# Altium PCB MCU021_V1.0_PCB.PcbDoc (part 2 of 3)
Units mil, origin at the board's own origin, x right, y up, seen from the top; angles counter-clockwise.
Board outline 2300 x 3100 mil, 4 copper layers (Top Layer, GND, Vcc, Bottom Layer), stack 60.63 mil thick; 177 components, 105 nets, 514 pads, 460 vias.
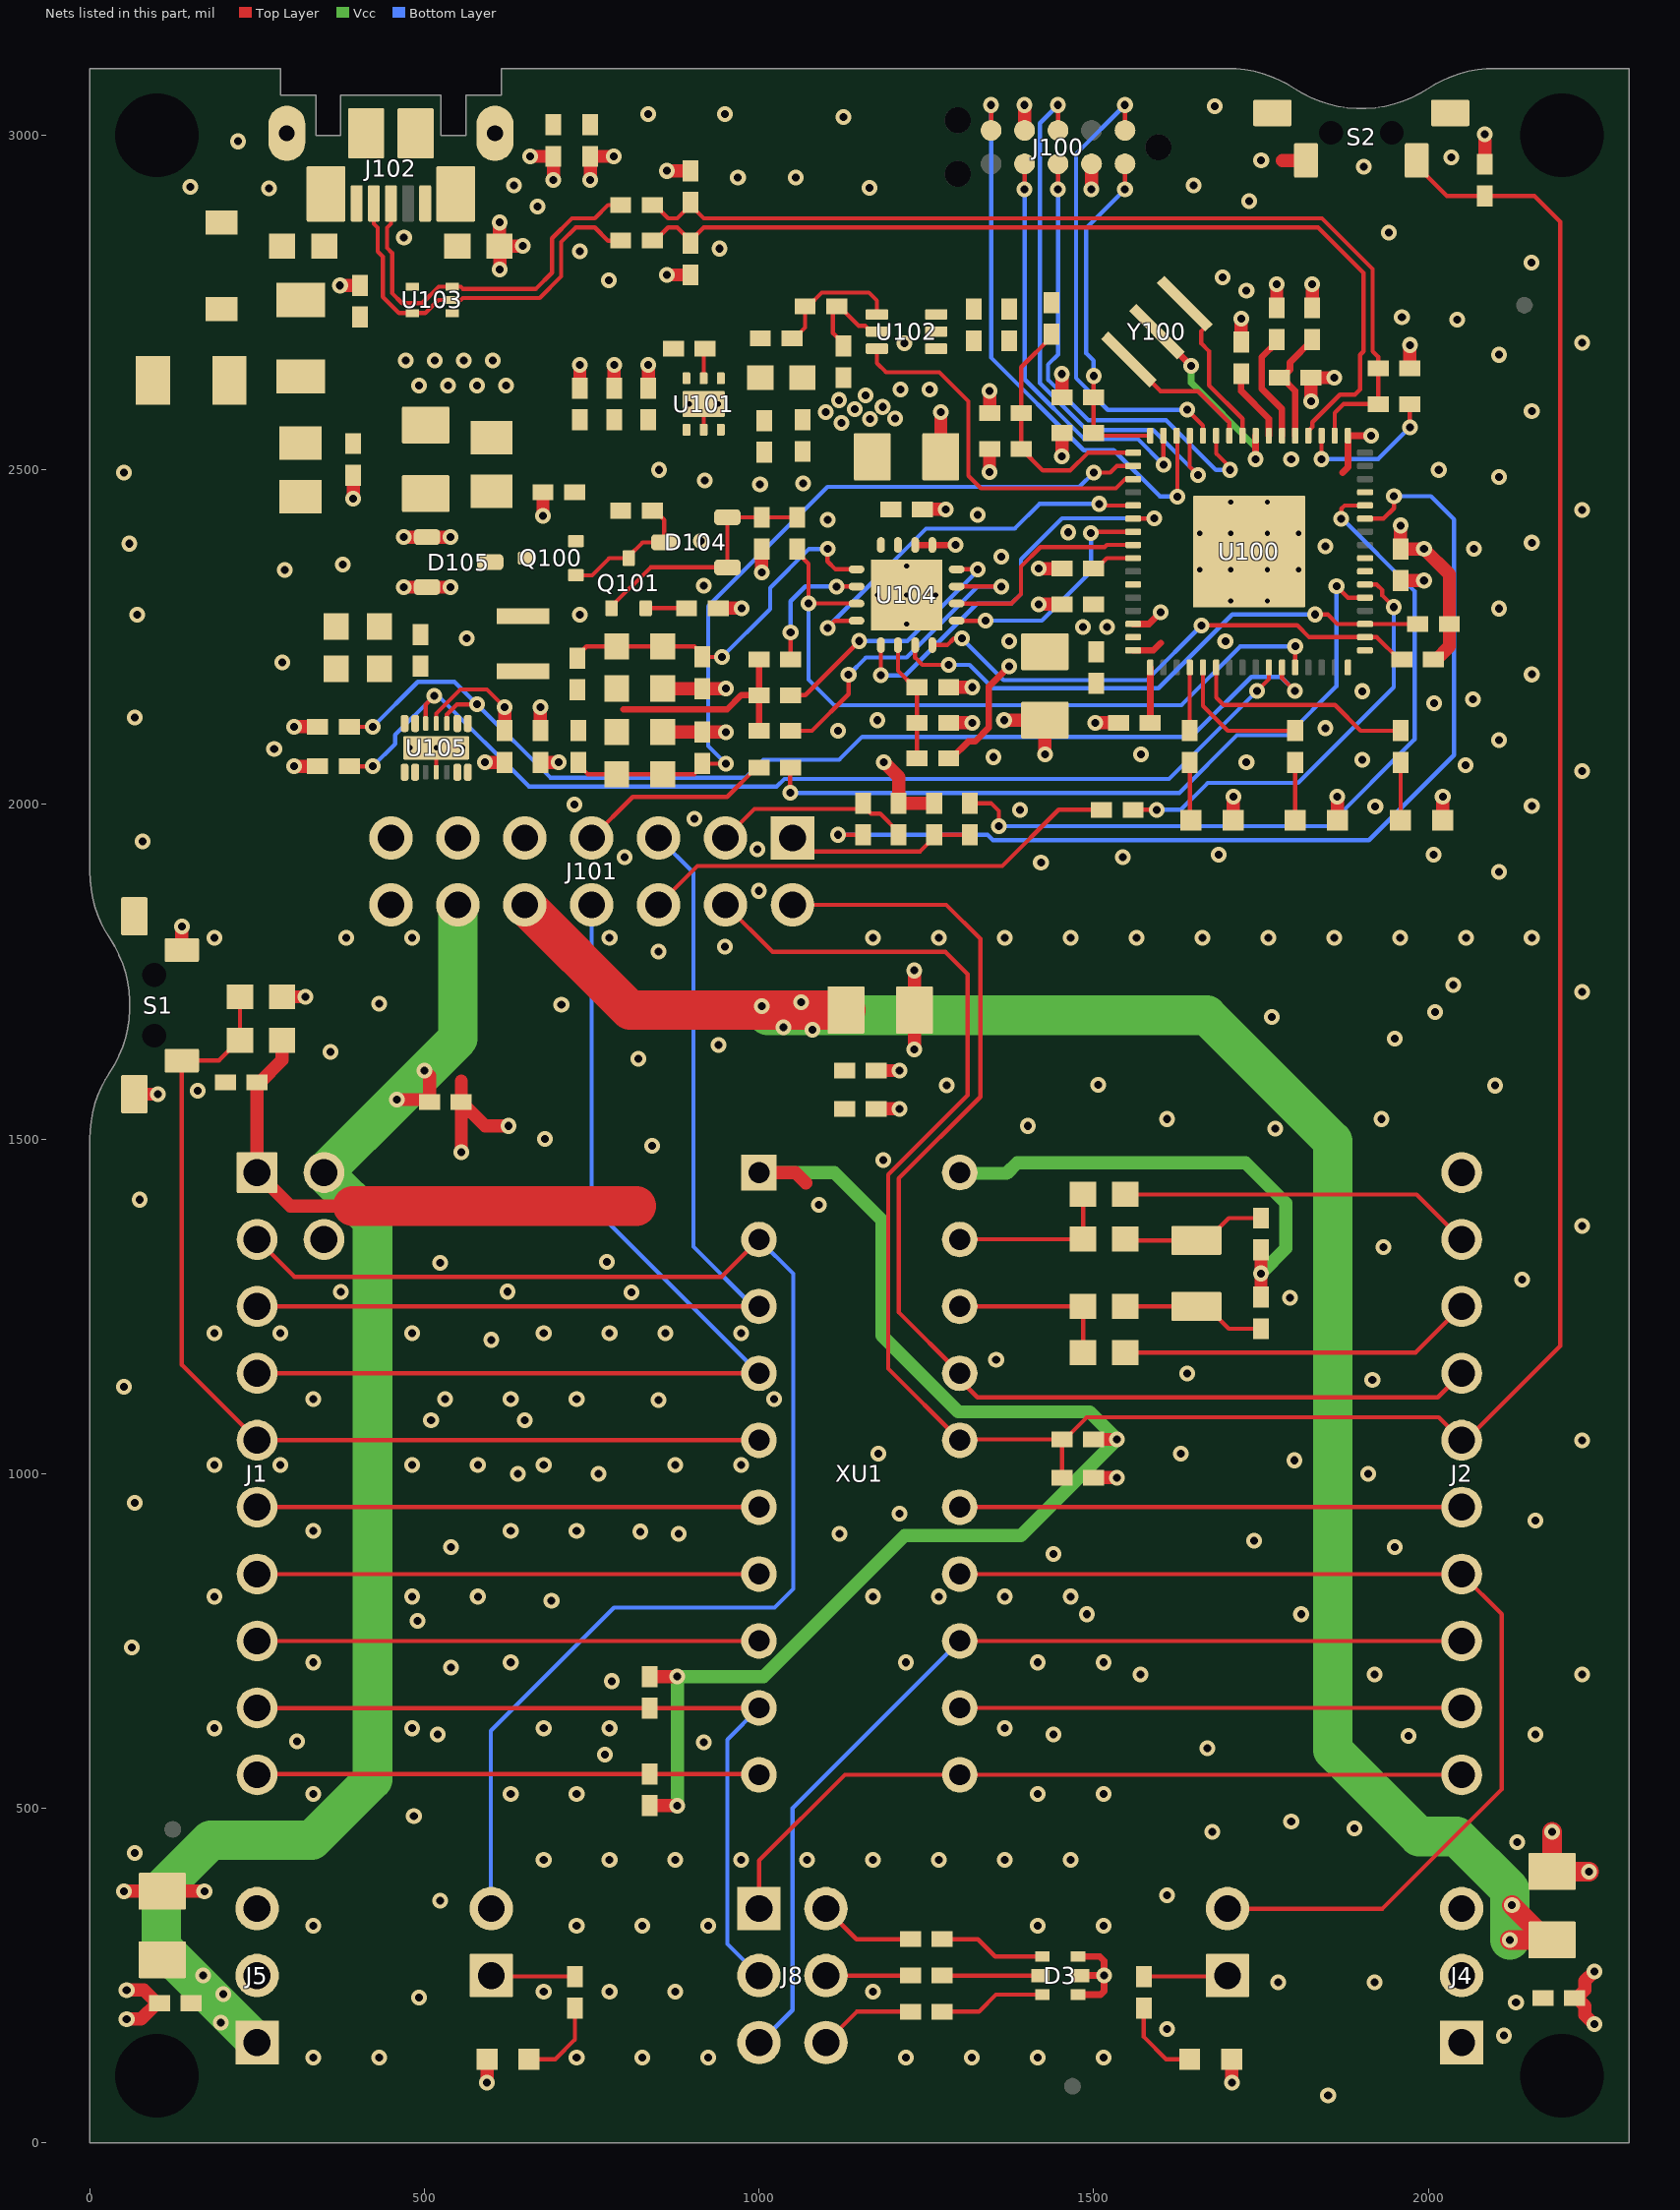
[diagram p4: the nets of this part, all layers, seen from the top]

## Part data (continued)
R102: library part CSR0603FKR200, "RES, 0.2, 1%, 0.125 W, 0603", Manufacturer="Stackpole Electronics Inc", Power_W=0.125, Supplier Part Number 1=CSR0603FKR200CT-ND, TempCo="25 ppm/C", Tolerance_%=1, Value1=1%, Value2=0.125W, Value_Code=R200, AEC Category=Q200, AEC Grade=N/A, AEC Qualified=N, ComponentLink1Description="Datasheet link", ComponentLink1URL=http://www.seielect.com/catalog/SEI-CSR_CSRN.pdf, CompType=Resistor, EIA_Code=E96, LatestRevisionDate=2017-06-08, MountType=SMT, PackageReference=0603, PartNumber=CSR0603FKR200, Published=2008-06-26, Publisher="Texas Instruments", Res_ohm=0.2, RoHS=Y, SizeArea_mm2=1.28, SizeX_mm=1.6, SizeY_mm=0.8, SizeZ_mm=1, Supplier 1=Digi-Key, SymbolVersion=2009-05-29, Technology="Thick Film", U/M=EA, ValueDisplayed=0.2, VDC_V=300
R104 R105 R106 R107 R109 R111: library part CRCW040210R0FKED, "RES, 10.0, 1%, 0.063 W, 0402", Manufacturer=Vishay-Dale, Power_W=0.063, Supplier Part Number 1=541-10.0LCT-ND, TempCo="100 ppm/C", Tolerance_%=1, Value1=1%, Value2=0.063W, Value_Code=10R0, AEC Category=Q200, AEC Qualified=?, ComponentLink1Description="Datasheet link", ComponentLink1URL=http://www.vishay.com/docs/20035/dcrcwe3.pdf, CompType=Resistor, EIA_Code=E96, MountType=SMT, PackageReference=0402, PartNumber=CRCW040210R0FKED, Published=2008-06-26, Publisher="Texas Instruments", Res_ohm=10, RoHS=Y, SizeArea_mm2=0.5, SizeX_mm=1, SizeY_mm=0.5, SizeZ_mm=0.6, Supplier 1=Digi-Key, Supplier 2=Newark, Supplier 3=Mouser, Supplier Part Number 2=52K6600, Supplier Part Number 3=71-CRCW0402-10-E3, SymbolVersion=2009-05-29, Technology="Thick Film", U/M=EA, ValueDisplayed=10.0, VDC_V=50
  R104 R105 R106 R107: LatestRevisionDate=2017-04-13
  R109 R111: Green_EU RoHS="Passed with Exemption", Green_EU RoHS-2=Passed, Green_Lifecycle=Active, Green_REACh=Passed, LatestRevisionDate=2017-06-12
R110 R112: library part CRCW12060000Z0EA, "RES, 0, 5%, 0.25 W, 1206", Manufacturer=Vishay-Dale, Power_W=0.25, Supplier Part Number 1=541-0.0ECT-ND, TempCo="200 ppm/C", Tolerance_%=5, Value1=5%, Value2=0.25W, Value_Code=0000, AEC Category=Q200, AEC Qualified=?, ComponentLink1Description="Datasheet link", ComponentLink1URL=http://www.vishay.com/docs/20035/dcrcwe3.pdf, CompType=Resistor, EIA_Code=E24, Green_EU RoHS="Passed with Exemption", Green_EU RoHS-2=Passed, Green_Lifecycle=Active, Green_REACh=Passed, LatestRevisionDate=2017-05-17, MountType=SMT, PackageReference=1206, PartNumber=CRCW12060000Z0EA, Published=2008-06-26, Publisher="Texas Instruments", Res_ohm=0, RoHS=Y, SizeArea_mm2=5.12, SizeX_mm=3.2, SizeY_mm=1.6, SizeZ_mm=1.35, Supplier 1=Digi-Key, Supplier 2=Newark, Supplier 3=Mouser, Supplier Part Number 2=53K1777, Supplier Part Number 3=71-CRCW1206-0-E3, SymbolVersion=2009-05-29, Technology="Thick Film", U/M=EA, ValueDisplayed=0, VDC_V=200
R113 R114: library part CRCW040227R0JNED, "RES, 27, 5%, 0.063 W, 0402", Manufacturer=Vishay-Dale, Power_W=0.063, Supplier Part Number 1=541-27JCT-ND, TempCo="200 ppm/C", Tolerance_%=5, Value1=5%, Value2=0.063W, Value_Code=27R0, AEC Category=Q200, AEC Qualified=?, ComponentLink1Description="Datasheet link", ComponentLink1URL=http://www.vishay.com/docs/20035/dcrcwe3.pdf, CompType=Resistor, EIA_Code=E24, LatestRevisionDate=2017-04-13, MountType=SMT, PackageReference=0402, PartNumber=CRCW040227R0JNED, Published=2008-06-26, Publisher="Texas Instruments", Res_ohm=27, RoHS=Y, SizeArea_mm2=0.5, SizeX_mm=1, SizeY_mm=0.5, SizeZ_mm=0.6, Supplier 1=Digi-Key, Supplier 2=Newark, Supplier 3=Mouser, Supplier Part Number 2=59M6721, Supplier Part Number 3=71-CRCW0402J-27-E3, SymbolVersion=2009-05-29, Technology="Thick Film", U/M=EA, ValueDisplayed=27, VDC_V=50
R115: library part CRCW04021K40FKED, "RES, 1.40 k, 1%, 0.063 W, 0402", Manufacturer=Vishay-Dale, Power_W=0.063, Supplier Part Number 1=541-1.40KLCT-ND, TempCo="100 ppm/C", Tolerance_%=1, Value1=1%, Value2=0.063W, Value_Code=1k40, AEC Category=Q200, AEC Qualified=?, ComponentLink1Description="Datasheet link", ComponentLink1URL=http://www.vishay.com/docs/20035/dcrcwe3.pdf, CompType=Resistor, EIA_Code=E96, LatestRevisionDate=2017-04-13, MountType=SMT, PackageReference=0402, PartNumber=CRCW04021K40FKED, Published=2008-06-26, Publisher="Texas Instruments", Res_ohm=1400, RoHS=Y, SizeArea_mm2=0.5, SizeX_mm=1, SizeY_mm=0.5, SizeZ_mm=0.6, Supplier 1=Digi-Key, Supplier 2=Newark, Supplier 3=Mouser, Supplier Part Number 2=52K6569, Supplier Part Number 3=71-CRCW0402-1.4K-E3, SymbolVersion=2009-05-29, Technology="Thick Film", U/M=EA, ValueDisplayed=1.40k, VDC_V=50
R116: library part CRCW04021M00JNED, "RES, 1.0 M, 5%, 0.063 W, 0402", Manufacturer=Vishay-Dale, Power_W=0.063, Supplier Part Number 1=541-1.0MJCT-ND, TempCo="200 ppm/C", Tolerance_%=5, Value1=5%, Value2=0.063W, Value_Code=1M00, ValueDisplayed=1.0M, AEC Category=Q200, AEC Qualified=?, ComponentLink1Description="Datasheet link", ComponentLink1URL=http://www.vishay.com/docs/20035/dcrcwe3.pdf, CompType=Resistor, EIA_Code=E24, LatestRevisionDate=2017-04-13, MountType=SMT, PackageReference=0402, PartNumber=CRCW04021M00JNED, Published=2008-06-26, Publisher="Texas Instruments", Res_ohm=1000000, RoHS=Y, SizeArea_mm2=0.5, SizeX_mm=1, SizeY_mm=0.5, SizeZ_mm=0.6, Supplier 1=Digi-Key, Supplier 2=Newark, Supplier 3=Mouser, Supplier Part Number 2=59M6694, Supplier Part Number 3=71-CRCW0402J-1M-E3, SymbolVersion=2009-05-29, Technology="Thick Film", U/M=EA, VDC_V=50
R117: library part CRCW040233K0JNED, "RES, 33 k, 5%, 0.063 W, 0402", Manufacturer=Vishay-Dale, Power_W=0.063, Supplier Part Number 1=541-33KJCT-ND, TempCo="200 ppm/C", Tolerance_%=5, Value1=5%, Value2=0.063W, Value_Code=33k0, AEC Category=Q200, AEC Qualified=?, ComponentLink1Description="Datasheet link", ComponentLink1URL=http://www.vishay.com/docs/20035/dcrcwe3.pdf, CompType=Resistor, EIA_Code=E24, LatestRevisionDate=2017-04-13, MountType=SMT, PackageReference=0402, PartNumber=CRCW040233K0JNED, Published=2008-06-26, Publisher="Texas Instruments", Res_ohm=33000, RoHS=Y, SizeArea_mm2=0.5, SizeX_mm=1, SizeY_mm=0.5, SizeZ_mm=0.6, Supplier 1=Digi-Key, Supplier 2=Newark, Supplier 3=Mouser, Supplier Part Number 2=59M6727, Supplier Part Number 3=71-CRCW0402J-33K-E3, SymbolVersion=2009-05-29, Technology="Thick Film", U/M=EA, ValueDisplayed=33k, VDC_V=50
R120: library part RC0402FR-07470RL, "RES, 470, 1%, 0.063 W, 0402", Manufacturer="Yageo America", Power_W=0.063, Supplier Part Number 1=311-470LRCT-ND, TempCo="100 ppm/C", Tolerance_%=1, Value1=1%, Value2=0.063W, Value_Code=470R, AEC Category=Q200, AEC Grade=N/A, AEC Qualified=N, ComponentLink1Description="Datasheet link", ComponentLink1URL=http://www.yageo.com/documents/recent/PYu-RC_Group_51_RoHS_L_04.pdf, CompType=Resistor, LatestRevisionDate=2017-04-13, MountType=SMT, PackageReference=0402, PartNumber=RC0402FR-07470RL, Published=2008-06-26, Publisher="Texas Instruments", Res_ohm=470, RoHS=Y, SizeArea_mm2=0.5, SizeX_mm=1, SizeY_mm=0.5, SizeZ_mm=0.6, Supplier 1=Digi-Key, Supplier 2=Newark, Supplier 3=Mouser, Supplier Part Number 2=67R9940, Supplier Part Number 3=603-RC0402FR-07470RL, SymbolVersion=2009-05-29, Technology="Thick Film", U/M=EA, ValueDisplayed=470, VDC_V=50
R121: library part RC0402FR-07820RL, "RES, 820, 1%, 0.063 W, 0402", Manufacturer="Yageo America", Power_W=0.063, Supplier Part Number 1=311-820LRCT-ND, TempCo="100 ppm/C", Tolerance_%=1, Value1=1%, Value2=0.063W, Value_Code=820R, AEC Category=Q200, AEC Grade=N/A, AEC Qualified=N, ComponentLink1Description="Datasheet link", ComponentLink1URL=http://www.yageo.com/documents/recent/PYu-RC_Group_51_RoHS_L_04.pdf, CompType=Resistor, LatestRevisionDate=2017-04-13, MountType=SMT, PackageReference=0402, PartNumber=RC0402FR-07820RL, Published=2008-06-26, Publisher="Texas Instruments", Res_ohm=820, RoHS=Y, SizeArea_mm2=0.5, SizeX_mm=1, SizeY_mm=0.5, SizeZ_mm=0.6, Supplier 1=Digi-Key, Supplier 2=Newark, Supplier 3=Mouser, Supplier Part Number 2=26M6794, Supplier Part Number 3=603-RC0402FR-07820RL, SymbolVersion=2009-05-29, Technology="Thick Film", U/M=EA, ValueDisplayed=820, VDC_V=50
R122: library part CRCW04021M00FKED, "RES, 1.00 M, 1%, 0.063 W, 0402", Manufacturer=Vishay-Dale, Power_W=0.063, Supplier Part Number 1=541-1.00MLCT-ND, TempCo="100 ppm/C", Tolerance_%=1, Value1=1%, Value2=0.063W, Value_Code=1M00, ValueDisplayed=1.00M, AEC Category=Q200, AEC Qualified=?, ComponentLink1Description="Datasheet link", ComponentLink1URL=http://www.vishay.com/docs/20035/dcrcwe3.pdf, CompType=Resistor, EIA_Code=E96, LatestRevisionDate=2017-04-13, MountType=SMT, PackageReference=0402, PartNumber=CRCW04021M00FKED, Published=2008-06-26, Publisher="Texas Instruments", Res_ohm=1000000, RoHS=Y, SizeArea_mm2=0.5, SizeX_mm=1, SizeY_mm=0.5, SizeZ_mm=0.6, Supplier 1=Digi-Key, Supplier 2=Newark, Supplier 3=Mouser, Supplier Part Number 2=52K6593, Supplier Part Number 3=71-CRCW0402-1.0M-E3, SymbolVersion=2009-05-29, Technology="Thick Film", U/M=EA, VDC_V=50
R123: library part ERJ-L03KF47MV, "RES, 0.047, 1%, 0.1 W, 0603", Manufacturer=Panasonic, Power_W=0.1, Supplier Part Number 1=P47LJCT-ND, TempCo="200 ppm/C", Tolerance_%=1, Value1=1%, Value2=0.1W, Value_Code=R047, AEC Category=Q200, AEC Qualified=?, ComponentLink1Description="Datasheet link", ComponentLink1URL=http://www.panasonic.com/industrial/components/pdf/AOA0000CE3.pdf, CompType=Resistor, EIA_Code=E96, Green_EU RoHS=Incomplete, Green_EU RoHS-2=Incomplete, Green_Lifecycle="Not Set", Green_REACh=Incomplete, LatestRevisionDate=2017-05-04, MountType=SMT, PackageReference=0603, PartNumber=ERJ-L03KF47MV, Published=2008-06-26, Publisher="Texas Instruments", Res_ohm=0.047, RoHS=Y, SizeArea_mm2=1.28, SizeX_mm=1.6, SizeY_mm=0.8, SizeZ_mm=1, Supplier 1=Digi-Key, Supplier 2=Mouser, Supplier 3=Farnell, Supplier Part Number 2=667-ERJ-L03KF47MV, Supplier Part Number 3=1577548, SymbolVersion=2009-05-29, Technology="Thick Film", U/M=EA, ValueDisplayed=0.047
R124: library part RC0402JR-070RL, "RES, 0, 5%, 0.063 W, 0402", Manufacturer="Yageo America", Power_W=0.063, Supplier Part Number 1=311-0.0JRCT-ND, TempCo="200 ppm/C", Tolerance_%=5, Value1=5%, Value2=0.063W, Value_Code=0000, AEC Category=Q200, AEC Qualified=?, ComponentLink1Description="Datasheet link", ComponentLink1URL=http://www.yageo.com/pdf/Pu-RC0402_51_PbFree_L_2.pdf, CompType=Resistor, EIA_Code=E24, LatestRevisionDate=2017-04-13, MountType=SMT, PackageReference=0402, PartNumber=RC0402JR-070RL, Published=2008-06-26, Publisher="Texas Instruments", Res_ohm=0, RoHS=Y, SizeArea_mm2=0.5, SizeX_mm=1, SizeY_mm=0.5, SizeZ_mm=0.6, Supplier 1=Digi-Key, Supplier 2=Mouser, Supplier 3=Farnell, Supplier Part Number 2=603-RC0402JR-070RL, Supplier Part Number 3=9232516, SymbolVersion=2009-05-29, Technology="Thick Film", U/M=EA, ValueDisplayed=0, VDC_V=50
R125 R129: library part RC0402FR-07220KL, "RES, 220 k, 1%, 0.0625 W, 0402", Manufacturer="Yageo America", Power_W=0.0625, Supplier Part Number 1=311-220KLRCT-ND, TempCo="100 ppm/C", Tolerance_%=1, Value1=1%, Value2=0.0625W, AEC Category=Q200, AEC Grade=N/A, AEC Qualified=N, ComponentLink1Description="Datasheet link", ComponentLink1URL=http://www.yageo.com/documents/recent/PYu-RC0402_51_RoHS_L_6_r.pdf, CompType=Resistor, LatestRevisionDate=2017-06-12, MountType=SMT, PackageReference=0402, PartNumber=RC0402FR-07220KL, Published=2008-06-26, Publisher="Texas Instruments", Res_ohm=220000, RoHS=Y, SizeArea_mm2=0.5, SizeX_mm=1, SizeY_mm=0.5, SizeZ_mm=0.6, Supplier 1=Digi-Key, Supplier 2=Newark, Supplier 3=Mouser, Supplier Part Number 2=98K7527, Supplier Part Number 3=603-RC0402FR-07220KL, SymbolVersion=2009-05-29, Technology="Thick Film", U/M=EA, Value_Code=220k, ValueDisplayed=220k, VDC_V=50
R126: library part CRCW0402240KFKED, "RES, 240 k, 1%, 0.063 W, 0402", Manufacturer=Vishay-Dale, Power_W=0.063, Supplier Part Number 1=541-240KLCT-ND, TempCo="100 ppm/C", Tolerance_%=1, Value1=1%, Value2=0.063W, AEC Category=Q200, AEC Qualified=?, ComponentLink1Description="Datasheet link", ComponentLink1URL=http://www.vishay.com/docs/20035/dcrcwe3.pdf, CompType=Resistor, LatestRevisionDate=2017-04-13, MountType=SMT, PackageReference=0402, PartNumber=CRCW0402240KFKED, Published=2008-06-26, Publisher="Texas Instruments", Res_ohm=240000, RoHS=Y, SizeArea_mm2=0.5, SizeX_mm=1, SizeY_mm=0.5, SizeZ_mm=0.6, Supplier 1=Digi-Key, Supplier 2=Newark, Supplier 3=Mouser, Supplier Part Number 2=51P0040, Supplier Part Number 3=71-CRCW0402240KFKED, SymbolVersion=2009-05-29, Technology="Thick Film", U/M=EA, Value_Code=240k, ValueDisplayed=240k, VDC_V=50
R127 R128 R131 R132: library part CPF0603B220KE, "RES, 220 k, 0.1%, 0.063 W, 0603", Manufacturer="TE Connectivity", Power_W=0.063, Supplier Part Number 1=A103064CT-ND, TempCo="25 ppm/C", Tolerance_%=0.1, Value1=0.1%, Value2=0.063W, AEC Category=Q200, AEC Grade=N/A, AEC Qualified=N, ComponentLink1Description="Datasheet link", ComponentLink1URL=http://www.te.com/commerce/DocumentDelivery/DDEController?Action=srchrtrv&DocNm=1773200&DocType=DS&DocLang=English, CompType=Resistor, LatestRevisionDate=2017-05-04, MountType=SMT, PackageReference=0603, PartNumber=CPF0603B220KE, Published=2008-06-26, Publisher="Texas Instruments", Res_ohm=220000, RoHS=Y, SizeArea_mm2=1.28, SizeX_mm=1.6, SizeY_mm=0.8, SizeZ_mm=1, Supplier 1=Digi-Key, Supplier 2=Newark, Supplier 3=Mouser, Supplier Part Number 2=95W6624, Supplier Part Number 3=279-CPF0603B220KE1, SymbolVersion=2009-05-29, Technology="Thin Film", U/M=EA, Value_Code=220k, ValueDisplayed=220k, VDC_V=50
R130: library part CRCW0402150KFKED, "RES, 150 k, 1%, 0.063 W, 0402", Manufacturer=Vishay-Dale, Power_W=0.063, Supplier Part Number 1=541-150KLCT-ND, TempCo="100 ppm/C", Tolerance_%=1, Value1=1%, Value2=0.063W, AEC Category=Q200, AEC Qualified=?, ComponentLink1Description="Datasheet link", ComponentLink1URL=http://www.vishay.com/docs/20035/dcrcwe3.pdf, CompType=Resistor, EIA_Code=E96, LatestRevisionDate=2017-04-13, MountType=SMT, PackageReference=0402, PartNumber=CRCW0402150KFKED, Published=2008-06-26, Publisher="Texas Instruments", Res_ohm=150000, RoHS=Y, SizeArea_mm2=0.5, SizeX_mm=1, SizeY_mm=0.5, SizeZ_mm=0.6, Supplier 1=Digi-Key, Supplier 2=Newark, Supplier 3=Mouser, Supplier Part Number 2=52K6719, Supplier Part Number 3=71-CRCW0402-150K-E3, SymbolVersion=2009-05-29, Technology="Thick Film", U/M=EA, Value_Code=150k, ValueDisplayed=150k, VDC_V=50
R133: library part ERA2AEB222X, "RES, 2.20 k, 0.1%, 0.0625 W, AEC-Q200 Grade 0, 0402", Manufacturer=Panasonic, Power_W=0.0625, Supplier Part Number 1=P2.2KDCCT-ND, TempCo="25 ppm/C", Tolerance_%=0.1, Value1=0.1%, Value2=0.0625W, Value_Code=2k20, AEC Category=Q200, AEC Grade=0, AEC Qualified=Y, ComponentLink1Description="Datasheet link", ComponentLink1URL=https://industrial.panasonic.com/cdbs/www-data/pdf/RDM0000/AOA0000C237.pdf, CompType=Resistor, LatestRevisionDate=2017-06-12, MountType=SMT, PackageReference=0402, PartNumber=ERA2AEB222X, Published=2008-06-26, Publisher="Texas Instruments", Res_ohm=2200, RoHS=Y, SizeArea_mm2=0.5, SizeX_mm=1, SizeY_mm=0.5, SizeZ_mm=0.6, Supplier 1=Digi-Key, Supplier 2=Newark, Supplier 3=Mouser, Supplier Part Number 2=05X8513, Supplier Part Number 3=667-ERA-2AEB222X, SymbolVersion=2009-05-29, Technology="Thin Film", U/M=EA, ValueDisplayed=2.20k, VDC_V=50
R134: library part ERA2ARB332X, "RES, 3.30 k, 0.1%, 0.0625 W, AEC-Q200 Grade 0, 0402", Manufacturer=Panasonic, Power_W=0.0625, Supplier Part Number 1=P3.3KCPCT-ND, TempCo="25 ppm/C", Tolerance_%=0.1, Value1=0.1%, Value2=0.0625W, Value_Code=3k30, AEC Category=Q200, AEC Grade=0, AEC Qualified=Y, ComponentLink1Description="Datasheet link", ComponentLink1URL=https://industrial.panasonic.com/cdbs/www-data/pdf/RDM0000/AOA0000C237.pdf, CompType=Resistor, LatestRevisionDate=2017-06-12, MountType=SMT, PackageReference=0402, PartNumber=ERA2ARB332X, Published=2008-06-26, Publisher="Texas Instruments", Res_ohm=3300, RoHS=Y, SizeArea_mm2=0.5, SizeX_mm=1, SizeY_mm=0.5, SizeZ_mm=0.6, Supplier 1=Digi-Key, Supplier 2=Newark, Supplier 3=Mouser, Supplier Part Number 2=85Y5703, Supplier Part Number 3=667-ERA-2ARB332X, SymbolVersion=2009-05-29, Technology="Thin Film", U/M=EA, ValueDisplayed=3.30k, VDC_V=50
R137: library part ERA2AEB6811X, "RES, 6.81 k, 0.1%, 0.0625 W, AEC-Q200 Grade 0, 0402", Manufacturer=Panasonic, Power_W=0.0625, Supplier Part Number 1=P6.81KDCCT-ND, TempCo="25 ppm/C", Tolerance_%=0.1, Value1=0.1%, Value2=0.0625W, Value_Code=6k81, AEC Category=Q200, AEC Grade=0, AEC Qualified=Y, ComponentLink1Description="Datasheet link", ComponentLink1URL=https://industrial.panasonic.com/cdbs/www-data/pdf/RDM0000/AOA0000C237.pdf, CompType=Resistor, EIA_Code=E192, LatestRevisionDate=2017-06-12, MountType=SMT, PackageReference=0402, PartNumber=ERA2AEB6811X, Published=2008-06-26, Publisher="Texas Instruments", Res_ohm=6810, RoHS=Y, SizeArea_mm2=0.5, SizeX_mm=1, SizeY_mm=0.5, SizeZ_mm=0.6, Supplier 1=Digi-Key, Supplier 2=Newark, Supplier 3=Mouser, Supplier Part Number 2=85Y5585, Supplier Part Number 3=667-ERA-2AEB6811X, SymbolVersion=2009-05-29, Technology="Thin Film", U/M=EA, ValueDisplayed=6.81k, VDC_V=50
"RoHS Logo1": library part Pb-Free, LatestRevisionDate=2016-03-21, Published=2009-03-03, Publisher="Texas Instruments", SymbolCreator=a0412235, SymbolVersion=2011-08-22
S1 S2: "Switch, SPST, 0.05 A, 12 VDC, SMD", CurrentRating_mA=50, Manufacturer=Diptronics, Circuit=SPST, ComponentLink1Description="Datasheet URL", ComponentLink1URL=http://www.dip.com.tw/en/en-product-information/en-switch004/item/download/1976_b080c057386714e3a6604cbe658b9df3, CompType=Switch, LatestRevisionDate=2017-05-08, MountType=SMT, Orientation="Side Actuated", PackageReference=7.8x3.5mm, PartNumber=1188E-1K2-V-TR, PositionCount=1, Publisher="Texas Instruments", RoHS=Y, SizeArea_mm2=27.3, SizeAreaWB_mm2=53.9, SizeX_mm=7.8, SizeY_mm=3.5, SizeZ_mm=3.5, SymbolCreator=Altium, SymbolVersion=2017-02-06, VDC_V=12
SH-J6 SH-J7 SH-J8-1 SH-J8-2 SH-J8-3 SH-J101-1 SH-J101-2 SH-J101-3 SH-J101-4 SH-J101-5 SH-J101-6 SH-J101-7: library part SNT-100-BK-G, "Shunt, 100mil, Gold plated, Black", Alternate Manufacturer=3M, Alternate PartNumber=969102-0000-DA, Manufacturer=Samtec, Supplier Part Number 1=SNT-100-BK-G-ND, ClassName=Shunt, ComponentLink1Description="Datasheet Link", ComponentLink1URL=http://www.samtec.com/ftppub/pdf/SNT.PDF, CompType=Shunt, Green_EU RoHS=Passed, Green_EU RoHS-2=Passed, Green_Lifecycle=Active, Green_REACh=Passed, LatestRevisionDate=2017-05-23, MountType=N/A, Note="You can \"mate\" this to a header by matching the designator.  i.e. use SH-J3 for header J3", PackageReference=Shunt, PartNumber=SNT-100-BK-G, Publisher="Texas Instruments", RoHS=Y, Supplier 1=Digi-Key
  SH-J6: Assembly="Place J6: 1-2"
  SH-J7: Assembly="Place J7: 1-2"
  SH-J8-1: Assembly="Place on Pin 2 only"
  SH-J8-2: Assembly="Place on Pin 4 only"
  SH-J8-3: Assembly="Place on Pin 6 only"
  SH-J101-1: Assembly="Place J101: 1-2"
  SH-J101-2: Assembly="Place J101: 3-4"
  SH-J101-3: Assembly="Place J101: 5-6"
  SH-J101-4: Assembly="Place J101: 7-8"
  SH-J101-5: Assembly="Place J101: 9-10"
  SH-J101-6: Assembly="Place J101: 11-12"
  SH-J101-7: Assembly="Place J101: 13-14"
U100: "25 MHz Mixed Signal Microcontroller with 128 KB Flash, 8192 B SRAM and 47 GPIOs, -40 to 85 degC, 64-pin QFN (RGC), Green (RoHS & no Sb/Br)", Alternate Manufacturer="Texas Instruments", Alternate PartNumber=Equivalent, Frequency(MHz)=25, Pin/Package="64DSBGA, 64VQFN, 80BGA MICROSTAR JUNIOR", Temp Sensor=Yes, ADC="12-bit SAR", ADC Channels=16, Brown Out Reset=Yes, Comparators=Yes, ComponentLink1Description="Manufacturer URL", ComponentLink1URL=http://www.ti.com/, ComponentLink2Description=Datasheet, ComponentLink2URL=http://www.ti.com/general/docs/lit/getliterature.tsp?genericPartNumber=MSP430F5528&fileType=pdf, DatasheetVersion=SLAS590I, DMA=3, Eco-Plan="Green (RoHS & no Sb/Br)", Flash(KB)=128, GPIO=47, Manufacturer="Texas Instruments", MountType=SMT, Multiplier=32x32, PackageDescription="64-Pin Plastic Flat Pack, Body 9 x 9 mm, Pitch 0.5 mm", PackageReference=RGC0064B, PackageVersion="4204106/F, 11/2011", PartNumber=MSP430F5528IRGCT, Real-Time Clock=Yes, SRAM(B)=8192, SubFamily="5 Series", SVS=Yes, Timers - 16-bit=4, USB=1, USCI_A (UART/LIN/IrDA/SPI)=2, USCI_B (I2C & SPI)=2, Watchdog=Yes
U101: library part CMP-0036330-5, "Single Output High PSRR LDO, 500 mA, Fixed 3.3 V Output, 2.7 to 6.5 V Input, with Low IQ, 6-pin SON (DRV), -40 to 125 degC, Green (RoHS & no Sb/Br)", Manufacturer="Texas Instruments", Accuracy(%)=2, ComponentLink1Description="Manufacturer URL", ComponentLink1URL=http://www.ti.com/, ComponentLink2Description=Datasheet, ComponentLink2URL=http://www.ti.com/general/docs/lit/getliterature.tsp?genericPartNumber=TPS73533&fileType=pdf, ComponentLink3Description="Package Specification", ComponentLink3URL=http://www.ti.com/litv/pdf/mpds216d, CompType=IC, DatasheetVersion=SBVS087J, Eco-Plan="Green (RoHS & no Sb/Br)", Fixed Output Options(V)=3.3, Iout(Max)(A)=0.5, Iq(Typ)(mA)=0.04, Mounting Technology="Surface Mount", MountType=SMT, PackageDescription=WSON-6, PackageReference=DRV0006A, PackageVersion=4206925/E, PartNumber=TPS73533DRVR, SizeArea_mm2=4, SizeAreaWB_mm2=9, SizeX_mm=2, SizeY_mm=2, SizeZ_mm=0.8, SubFamily="Single Channel LDO", Vdo(Typ)(mV)=280, Vin(Max)(V)=6.5, Vin(Min)(V)=2.7, Vout Adj(Max)(V)=3.3, Vout Adj(Min)(V)=3.3
U102: "Voltage Output, High or Low Side Measurement, Bi-Directional Zerø-Drift Series Current-Shunt Monitor, DCK0006A (SOT-SC70-6)", Alternate Manufacturer="Texas Instruments", Alternate PartNumber=INA214AIDCKT, ComponentLink1Description="Datasheet Link", ComponentLink1URL=http://www.ti.com/lit/ds/symlink/ina214.pdf, CompType=IC, LatestRevisionDate=2017-05-22, Manufacturer="Texas Instruments", MountType=SMT, PackageDescription=SOT-SC70-6, PackageReference=DCK0006A, PartNumber=INA214AIDCKR, Publisher="Texas Instruments", RoHS=Y, SizeArea_mm2=4.2, SizeAreaWB_mm2=9.3, SizeX_mm=2.1, SizeY_mm=2, SizeZ_mm=1.1, SymbolCreator=a0411947, SymbolVersion=2013-07-03, U/M=EA
U103: "Low-Capacitance + / - 15 kV ESD-Protection Array for High-Speed Data Interfaces, 2 Channels, -40 to +85 degC, 5-pin SOT (DRL), Green (RoHS & no Sb/Br)", Alternate Manufacturer="Texas Instruments", Alternate PartNumber=Equivalent, Breakdown Voltage(Min)(V)=11, IO Capacitance(Typ)(pF)=1.5, IO Leakage Current(nA)=1, Supplier Part Number 1=296-21883-2-ND, ComponentLink1Description=Datasheet, ComponentLink1URL=http://www.ti.com/general/docs/lit/getliterature.tsp?genericPartNumber=TPD2E001&fileType=pdf, ComponentLink2Description="URL Link1", ComponentLink2URL=SamplesURL:http://www.ti.com/product/tpd2e001#samples, DatasheetVersion=SLLS684F, Eco-Plan="Green (RoHS & no Sb/Br)", IEC 61000-4-2 Air-Gap(+/- kV)=15, IEC 61000-4-2 Contact(+/- kV)=8, Manufacturer="Texas Instruments", MountType=SMT, PackageDescription="5-Pin Plastic Small Outline, Flat Lead 0.5 mm Pitch", PackageReference=DRL0005A, PackageVersion="revD, Aug-2007", PartNumber=TPD2E001DRLR, SubFamily="ESD Solution", Supplier 1=Digi-Key, Supplier 2=Digi-Key, Supplier 3=Digi-Key, Supplier 4=Farnell, Supplier 5=Newark, Supplier 6=Mouser, Supplier Part Number 2=296-21883-1-ND, Supplier Part Number 3=296-21883-6-ND, Supplier Part Number 4=1412055, Supplier Part Number 5=41M5840, Supplier Part Number 6=595-TPD2E001DRLR, USB High Speed=TRUE
U104: "16 MHz Mixed Signal Microcontroller with 8 KB Flash, 256 B SRAM and 16 GPIOs, 16-pin QFN (RSA), Green (RoHS & no Sb/Br)", Alternate Manufacturer="Texas Instruments", Alternate PartNumber=Equivalent, Frequency(MHz)=16, Pin/Package="14TSSOP, 16QFN, 20PDIP, 20TSSOP", Temp Sensor=Yes, ADC="10-bit SAR", ADC Channels=8, Brown Out Reset=Yes, Cap touch I/O=Yes, Code_JEDEC=MO-220, Comparators=Yes, ComponentLink1Description="Manufacturer URL", ComponentLink1URL=http://www.ti.com/, ComponentLink2Description=Datasheet, ComponentLink2URL=http://www.ti.com/general/docs/lit/getliterature.tsp?genericPartNumber=MSP430G2452&fileType=pdf, DatasheetVersion=SLAS722E, Eco-Plan="Green (RoHS & no Sb/Br)", Flash(KB)=8, GPIO=16, Manufacturer="Texas Instruments", MountType=SMT, PackageDescription="16-Pin Plastic Flat Pack, Body 4.00 x 4.00 mm, Pitch 0.65 mm", PackageReference=RSA0016B, PackageVersion="4205141/D, 06/2011", PartNumber=MSP430G2452IRSA16R, SRAM(B)=256, SubFamily="Value Line", Timers - 16-bit=1, USI=(I2C/SPI), Watchdog=Yes
U105: "5.5V, 4A, 25mO, 2-Channel Load Switch With Quick Output Discharge and Adjustable Rise Time, DPU0014A (WSON-14)", Alternate Manufacturer="Texas Instruments", ComponentLink1Description="Datasheet Link", ComponentLink1URL=http://www.ti.com/lit/ds/symlink/tps22968.pdf, CompType=IC, Green_EU RoHS=Passed, Green_EU RoHS-2=Passed, Green_Lifecycle=Active, Green_REACh=Passed, LatestRevisionDate=2017-05-22, Manufacturer="Texas Instruments", MountType=SMT, PackageDescription=WSON-14, PackageReference=DPU0014A, PartNumber=TPS22968NDPUR, Publisher="Texas Instruments", RoHS=Y, SizeArea_mm2=6, SizeAreaWB_mm2=12, SizeX_mm=2, SizeY_mm=3, SizeZ_mm=0.8, SymbolCreator=a0411947, SymbolVersion=2015-07-19, U/M=EA
XU1: "Socket, DIP-20, Sleeve Pin, 2.54 mm Pitch", Manufacturer=Mill-Max, Supplier Part Number 1=ED90052-ND, ComponentLink1Description="Datasheet Link", ComponentLink1URL=http://www.mill-max.com/assets/pdfs/metric/090M.pdf, CompType=Socket, LatestRevisionDate=2017-05-30, MountType=TH, PackageReference="DIP-20, Body 25.3x10.1mm, Pitch 2.54mm", PartNumber=110-44-320-41-001000, Publisher="Texas Instruments", RoHS=Y, Supplier 1=Digi-Key, Supplier 2=Mouser, Supplier 3=Farnell, Supplier Part Number 2=575-11044320, Supplier Part Number 3=1228482, SymbolCreator=a0799628, SymbolVersion=2016-3-1, U/M=EA
Y1: library part CMP-0078856-1, "Crystal, 32.768 KHz, 20 ppm, SMD", Frequency_Fixed=32.768kHz, Frequency Tolerance="20 ppm", Manufacturer="ECS Inc.", Supplier Part Number 1=XC1617CT-ND, AEC Category=Q200, AEC Qualified=?, ComponentLink1Description="Datasheet Link", ComponentLink1URL=http://www.ecsxtal.com/store/pdf/ecx-31b.pdf, CompType=Crystal, MountType=SMT, PackageReference=3.2x1.5mm, PartNumber=ECS-.327-12.5-34B-TR, REACh=Y, RoHS=Y, SizeArea_mm2=4.8, SizeAreaWB_mm2=10.5, SizeX_mm=3.2, SizeY_mm=1.5, SizeZ_mm=0.9, Supplier 1=Digi-Key, Supplier 2=Mouser, Supplier Part Number 2=520-327-12.5-34B, TaMax_C=85°C, TaMin_C=-40°C
Y100: "Resonator, 4 MHz, 39pF SMD", Frequency_Fixed="4 MHz", Frequency Stability="±0.08 %", Manufacturer=MuRata, Supplier Part Number 1=490-7861-1-ND, ComponentLink1Description="Datasheet Link", ComponentLink1URL=http://www.murata.com/products/catalog/pdf/p16e.pdf, CompType=Resonator, Green_EU RoHS=Incomplete, Green_EU RoHS-2=Incomplete, Green_Lifecycle="Not Set", Green_REACh=Incomplete, LatestRevisionDate=2017-05-30, MountType=SMT, PackageReference="4.5x1.2x2 mm", PartNumber=CSTCR4M00G15L99-R0, Publisher="Texas Instruments", RoHS=Y, Supplier 1=Digi-Key, Supplier 2=Newark, Supplier 3=Mouser, Supplier Part Number 2=45Y4897, Supplier Part Number 3=81-CSTCR4M00G15L99R0, SymbolCreator=a0799721, SymbolVersion=2016-2-15, TaMax_C=70, TaMin_C=0, U/M=EA